# KiCad board Leopold Replacement.kicad_pcb
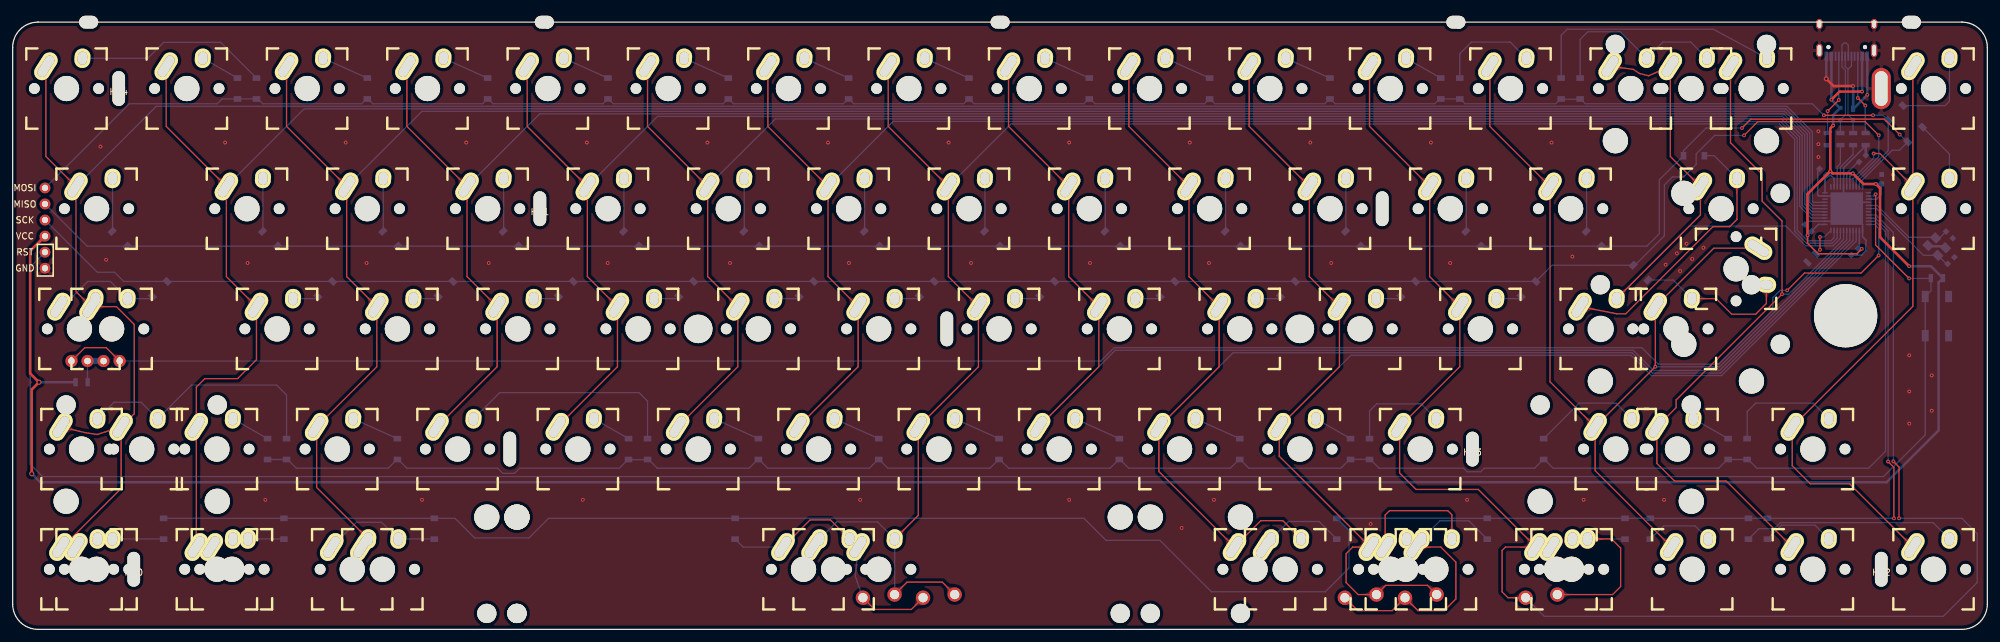
[diagram p0: board, top side]
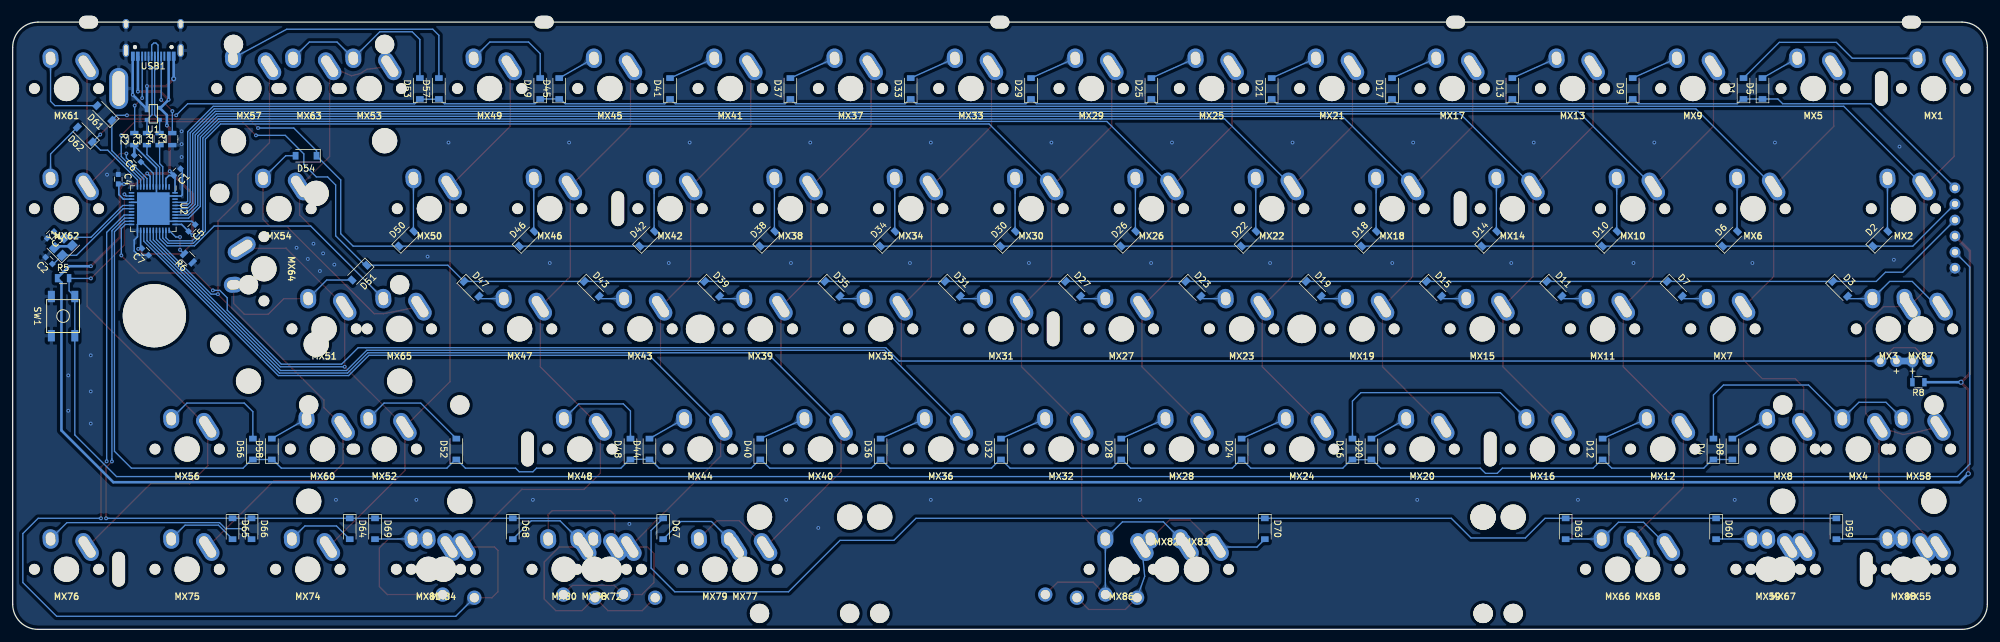
[diagram p1: board, bottom side, seen from below]

Outline 311.97 x 96.05 mm; copper layers: Top, Bottom. Coordinates in mm from the lower left corner of the outline.
Outline path: circle c250.88,47.53 r1.99 ; 0,92.05 0,4 arc(1.17,1.17) 4,0 307.97,0 arc(310.79,1.17) 311.97,4 311.97,92.05 arc(310.79,94.88) 307.97,96.05 4,96.05 arc(1.17,94.88) 0,92.05

## Placement (name value [footprint] x y rotation side)
C1  10uF  [C_0603]  285.99 72.33 315 bottom
C2  22pF  [C_0603]  306.23 58.33 45 bottom
C3  22pF  [C_0603]  305.98 62.4 315 bottom
C4  0.1uF  [C_0603]  295.28 71.21 270 bottom
C5  0.1uF  [C_0603]  283.65 63.49 315 bottom
C6  1uF  [C_0603]  292.23 74.46 45 bottom
C7  0.1uF  [C_0603]  291.01 59.73 45 bottom
D1  D  [D_SOD-123]  38.52 85.55 90 bottom
D2  D  [D_SOD-123]  16.88 61.78 135 bottom
D3  D  [D_SOD-123]  23.24 53.86 225 bottom
D4  D  [D_SOD-123]  43.27 28.52 90 bottom
D5  D  [D_SOD-123]  35.52 85.55 90 bottom
D6  D  [D_SOD-123]  40.64 61.78 135 bottom
D7  D  [D_SOD-123]  49.38 53.86 225 bottom
D8  D  [D_SOD-123]  40.27 28.52 90 bottom
D9  D  [D_SOD-123]  56.03 85.55 90 bottom
D10  D  [D_SOD-123]  59.65 61.78 135 bottom
D11  D  [D_SOD-123]  68.39 53.86 225 bottom
D12  D  [D_SOD-123]  60.78 28.52 90 bottom
D13  D  [D_SOD-123]  75.04 85.55 90 bottom
D14  D  [D_SOD-123]  78.66 61.78 135 bottom
D15  D  [D_SOD-123]  87.4 53.86 225 bottom
D16  D  [D_SOD-123]  100.3 28.52 90 bottom
D17  D  [D_SOD-123]  94.05 85.55 90 bottom
D18  D  [D_SOD-123]  97.67 61.78 135 bottom
D19  D  [D_SOD-123]  106.41 53.86 225 bottom
D20  D  [D_SOD-123]  97.3 28.52 90 bottom
D21  D  [D_SOD-123]  113.06 85.55 90 bottom
D22  D  [D_SOD-123]  116.68 61.78 135 bottom
D23  D  [D_SOD-123]  125.42 53.86 225 bottom
D24  D  [D_SOD-123]  117.81 28.52 90 bottom
D25  D  [D_SOD-123]  132.07 85.55 90 bottom
D26  D  [D_SOD-123]  135.69 61.78 135 bottom
D27  D  [D_SOD-123]  144.43 53.86 225 bottom
D28  D  [D_SOD-123]  136.82 28.52 90 bottom
D29  D  [D_SOD-123]  151.08 85.55 90 bottom
D30  D  [D_SOD-123]  154.7 61.78 135 bottom
D31  D  [D_SOD-123]  163.44 53.86 225 bottom
D32  D  [D_SOD-123]  155.83 28.52 90 bottom
D33  D  [D_SOD-123]  170.09 85.55 90 bottom
D34  D  [D_SOD-123]  173.71 61.78 135 bottom
D35  D  [D_SOD-123]  182.45 53.86 225 bottom
D36  D  [D_SOD-123]  174.84 28.52 90 bottom
D37  D  [D_SOD-123]  189.1 85.55 90 bottom
D38  D  [D_SOD-123]  192.72 61.78 135 bottom
D39  D  [D_SOD-123]  201.46 53.86 225 bottom
D40  D  [D_SOD-123]  193.85 28.52 90 bottom
D41  D  [D_SOD-123]  208.11 85.55 90 bottom
D42  D  [D_SOD-123]  211.73 61.78 135 bottom
D43  D  [D_SOD-123]  220.47 53.86 225 bottom
D44  D  [D_SOD-123]  211.36 28.52 90 bottom
D45  D  [D_SOD-123]  225.62 85.55 90 bottom
D46  D  [D_SOD-123]  230.74 61.78 135 bottom
D47  D  [D_SOD-123]  239.48 53.86 225 bottom
D48  D  [D_SOD-123]  214.36 28.52 90 bottom
D49  D  [D_SOD-123]  228.62 85.55 90 bottom
D50  D  [D_SOD-123]  249.75 61.78 135 bottom
D51  D  [D_SOD-123]  257.18 56.43 315 bottom
D52  D  [D_SOD-123]  241.87 28.52 90 bottom
D53  D  [D_SOD-123]  247.63 85.55 90 bottom
D54  D  [D_SOD-123]  265.61 74.92 0 bottom
D55  LED  [MXOnly-LEDONLY]  15.63 47.53 0 top
D56  D  [D_SOD-123]  274.02 28.52 90 bottom
D57  D  [D_SOD-123]  244.63 85.55 90 bottom
D58  D  [D_SOD-123]  271.02 28.52 90 bottom
D59  D  [D_SOD-123]  23.84 15.91 270 bottom
D60  D  [D_SOD-123]  42.85 15.91 270 bottom
D61  D  [D_SOD-123]  297.47 81.67 45 bottom
D62  D  [D_SOD-123]  300.56 78.27 45 bottom
D63  D  [D_SOD-123]  66.62 15.91 270 bottom
D64  D  [D_SOD-123]  258.72 15.91 270 bottom
D65  D  [D_SOD-123]  277.23 15.91 270 bottom
D66  D  [D_SOD-123]  274.23 15.91 270 bottom
D67  D  [D_SOD-123]  209.19 15.91 270 bottom
D68  D  [D_SOD-123]  232.95 15.91 270 bottom
D69  D  [D_SOD-123]  254.72 15.91 270 bottom
D70  D  [D_SOD-123]  114.14 15.91 270 bottom
D71  LED  [MXOnly-LEDONLY-FLIPPED]  10.55 47.53 0 top
G***  LOGO  [IPWT]  100.56 11.21 0 top
G***#2  LOGO  [ALPS]  160.56 11.21 0 top
G***#3  LOGO  [sanpjxlogo]  28.94 47.53 0 top
H1  MountingHole  [Leopold-Mounting-Rat]  228 96.05 0 top
H2  MountingHole  [Leopold-Mounting-Rat]  299.97 96.05 0 top
H3  MountingHole  [Leopold-Mounting-Rat]  156 96.05 0 top
H4  MountingHole  [Leopold-Mounting-Rat]  12 96.05 0 top
H5  MountingHole  [Leopold-Mounting-Rat]  84 96.05 0 top
H6  MountingHole  [10mm-Leopold-Mounting-Hole]  289.58 49.61 0 top
H7  MountingHole  [Leopold-Mounting-Hole-Main]  147.58 47.53 0 top
H8  MountingHole  [Leopold-Mounting-Hole-Main]  78.54 28.52 0 top
H9  MountingHole  [Leopold-Mounting-Hole-Main]  216.36 66.54 0 top
H10  MountingHole  [Leopold-Mounting-Hole-Main]  19.13 9.51 0 top
H11  MountingHole  [Leopold-Mounting-Hole-Main]  83.29 66.54 0 top
H12  MountingHole  [Leopold-Mounting-Hole-Main]  295.21 9.51 0 top
H13  MountingHole  [Leopold-Mounting-Hole-Main]  230.62 28.52 0 top
H14  MountingHole  [Leopold-Mounting-Hole-Main]  16.75 85.55 0 top
H15  MountingHole  [Leopold-mounting-hole-circle]  108.31 47.53 0 top
H16  MountingHole  [Leopold-mounting-hole-circle]  203.36 47.53 0 top
J2  Conn_01x01_Female  [Leopold-Mounting-Hole]  295.21 85.55 0 top
J3  Conn_01x05_Male  [Reset_Pretty-Mask-Reversed]  5.11 63.47 270 top
MX1  MX-NoLED-MX_Alps_Hybrid  [Mx_Alps_100]  8.51 85.55 0 top
MX2  MX-NoLED-MX_Alps_Hybrid  [Mx_Alps_100]  13.26 66.54 0 top
MX3  MX-NoLED-MX_Alps_Hybrid  [Mx_Alps_100]  15.63 47.53 0 top
MX4  MX-NoLED-MX_Alps_Hybrid  [Mx_Alps_225]  20.39 28.52 0 top
MX5  MX-NoLED-MX_Alps_Hybrid  [Mx_Alps_100]  27.52 85.55 0 top
MX6  MX-NoLED-MX_Alps_Hybrid  [Mx_Alps_100]  37.02 66.54 0 top
MX7  MX-NoLED-MX_Alps_Hybrid  [Mx_Alps_100]  41.77 47.53 0 top
MX8  MX-NoLED-MX_Alps_Hybrid  [Mx_Alps_100]  32.27 28.52 0 top
MX9  MX-NoLED-MX_Alps_Hybrid  [Mx_Alps_100]  46.52 85.55 0 top
MX10  MX-NoLED-MX_Alps_Hybrid  [Mx_Alps_100]  56.03 66.54 0 top
MX11  MX-NoLED-MX_Alps_Hybrid  [Mx_Alps_100]  60.78 47.53 0 top
MX12  MX-NoLED-MX_Alps_Hybrid  [Mx_Alps_100]  51.28 28.52 0 top
MX13  MX-NoLED-MX_Alps_Hybrid  [Mx_Alps_100]  65.53 85.55 0 top
MX14  MX-NoLED-MX_Alps_Hybrid  [Mx_Alps_100]  75.04 66.54 0 top
MX15  MX-NoLED-MX_Alps_Hybrid  [Mx_Alps_100]  79.79 47.53 0 top
MX16  MX-NoLED-MX_Alps_Hybrid  [Mx_Alps_100]  70.29 28.52 0 top
MX17  MX-NoLED-MX_Alps_Hybrid  [Mx_Alps_100]  84.55 85.55 0 top
MX18  MX-NoLED-MX_Alps_Hybrid  [Mx_Alps_100]  94.05 66.54 0 top
MX19  MX-NoLED-MX_Alps_Hybrid  [Mx_Alps_100]  98.8 47.53 0 top
MX20  MX-NoLED-MX_Alps_Hybrid  [Mx_Alps_100]  89.3 28.52 0 top
MX21  MX-NoLED-MX_Alps_Hybrid  [Mx_Alps_100]  103.56 85.55 0 top
MX22  MX-NoLED-MX_Alps_Hybrid  [Mx_Alps_100]  113.06 66.54 0 top
MX23  MX-NoLED-MX_Alps_Hybrid  [Mx_Alps_100]  117.81 47.53 0 top
MX24  MX-NoLED-MX_Alps_Hybrid  [Mx_Alps_100]  108.31 28.52 0 top
MX25  MX-NoLED-MX_Alps_Hybrid  [Mx_Alps_100]  122.56 85.55 0 top
MX26  MX-NoLED-MX_Alps_Hybrid  [Mx_Alps_100]  132.07 66.54 0 top
MX27  MX-NoLED-MX_Alps_Hybrid  [Mx_Alps_100]  136.82 47.53 0 top
MX28  MX-NoLED-MX_Alps_Hybrid  [Mx_Alps_100]  127.32 28.52 0 top
MX29  MX-NoLED-MX_Alps_Hybrid  [Mx_Alps_100]  141.57 85.55 0 top
MX30  MX-NoLED-MX_Alps_Hybrid  [Mx_Alps_100]  151.08 66.54 0 top
MX31  MX-NoLED-MX_Alps_Hybrid  [Mx_Alps_100]  155.83 47.53 0 top
MX32  MX-NoLED-MX_Alps_Hybrid  [Mx_Alps_100]  146.33 28.52 0 top
MX33  MX-NoLED-MX_Alps_Hybrid  [Mx_Alps_100]  160.59 85.55 0 top
MX34  MX-NoLED-MX_Alps_Hybrid  [Mx_Alps_100]  170.09 66.54 0 top
MX35  MX-NoLED-MX_Alps_Hybrid  [Mx_Alps_100]  174.84 47.53 0 top
MX36  MX-NoLED-MX_Alps_Hybrid  [Mx_Alps_100]  165.34 28.52 0 top
MX37  MX-NoLED-MX_Alps_Hybrid  [Mx_Alps_100]  179.59 85.55 0 top
MX38  MX-NoLED-MX_Alps_Hybrid  [Mx_Alps_100]  189.1 66.54 0 top
MX39  MX-NoLED-MX_Alps_Hybrid  [Mx_Alps_100]  193.85 47.53 0 top
MX40  MX-NoLED-MX_Alps_Hybrid  [Mx_Alps_100]  184.35 28.52 0 top
MX41  MX-NoLED-MX_Alps_Hybrid  [Mx_Alps_100]  198.6 85.55 0 top
MX42  MX-NoLED-MX_Alps_Hybrid  [Mx_Alps_100]  208.11 66.54 0 top
MX43  MX-NoLED-MX_Alps_Hybrid  [Mx_Alps_100]  212.86 47.53 0 top
MX44  MX-NoLED-MX_Alps_Hybrid  [Mx_Alps_100]  203.36 28.52 0 top
MX45  MX-NoLED-MX_Alps_Hybrid  [Mx_Alps_100]  217.62 85.55 0 top
MX46  MX-NoLED-MX_Alps_Hybrid  [Mx_Alps_100]  227.12 66.54 0 top
MX47  MX-NoLED-MX_Alps_Hybrid  [Mx_Alps_100]  231.87 47.53 0 top
MX48  MX-NoLED-MX_Alps_Hybrid  [Mx_Alps_100]  222.37 28.52 0 top
MX49  MX-NoLED-MX_Alps_Hybrid  [Mx_Alps_100]  236.62 85.55 0 top
MX50  MX-NoLED-MX_Alps_Hybrid  [Mx_Alps_100]  246.13 66.54 0 top
MX51  MX-NoLED-MX_Alps_Hybrid  [Mx_Alps_225]  262.76 47.53 0 top
MX52  MX-NoLED-MX_Alps_Hybrid  [Mx_Alps_225]  253.26 28.52 0 top
MX53  MX-NoLED-MX_Alps_Hybrid  [Mx_Alps_100]  255.63 85.55 0 top
MX54  MX-NoLED-MX_Alps_Hybrid  [Mx_Alps_100]  269.89 66.54 0 top
MX55  MX-NoLED-MX_Alps_Hybrid  [Mx_Alps_125]  10.88 9.51 0 top
MX56  MX-NoLED-MX_Alps_Hybrid  [Mx_Alps_100]  284.4 28.52 0 top
MX57  MX-NoLED-MX_Alps_Hybrid  [Mx_Alps_100]  274.64 85.55 0 top
MX58  MX-NoLED-MX_Alps_Hybrid  [Mx_Alps_100]  10.88 28.52 0 top
MX59  MX-NoLED-MX_Alps_Hybrid  [Mx_Alps_125]  34.64 9.51 0 top
MX60  MX-NoLED-MX_Alps_Hybrid  [Mx_Alps_100]  263.01 28.52 0 top
MX61  MX-NoLED-MX_Alps_Hybrid  [Mx_Alps_100]  303.46 85.55 0 top
MX62  MX-NoLED-MX_Alps_Hybrid  [Mx_Alps_100]  303.46 66.54 0 top
MX63  MX-NoLED-MX_Alps_Hybrid  [Mx_Alps_200]  265.14 85.55 0 top
MX64  MX-NoLED-MX_Alps_Hybrid  [Mx_Alps_225]  272.27 57.03 270 top
MX65  MX-NoLED-MX_Alps_Hybrid  [Mx_Alps_100]  250.88 47.53 0 top
MX66  MX-NoLED-MX_Alps_Hybrid  [Mx_Alps_125]  58.41 9.51 0 top
MX67  MX-NoLED-MX_Alps_Hybrid  [Mx_Alps_100]  32.27 9.51 0 top
MX68  MX-NoLED-MX_Alps_Hybrid  [Mx_Alps_125]  53.65 9.51 0 top
MX69  MX-NoLED-MX_Alps_Hybrid  [ALPS-1.5U]  222.47 9.51 180 top
MX70  MX-NoLED-MX_Alps_Hybrid  [ALPS-1.5U]  241.53 9.51 180 top
MX71  MX-NoLED-MX_Alps_Hybrid  [ALPS-1.5U]  212.96 9.51 180 top
MX72  MX-NoLED-MX_Alps_Hybrid  [Mx_Alps_150]  217.71 9.51 0 top
MX73  MX-NoLED-MX_Alps_Hybrid  [ALPS-6.5U]  146.33 9.51 180 top
MX74  MX-NoLED-MX_Alps_Hybrid  [Mx_Alps_100]  265.34 9.51 0 top
MX75  MX-NoLED-MX_Alps_Hybrid  [Mx_Alps_100]  284.4 9.51 0 top
MX76  MX-NoLED-MX_Alps_Hybrid  [Mx_Alps_100]  303.46 9.51 0 top
MX77  MX-NoLED-MX_Alps_Hybrid  [Mx_Alps_125]  196.28 9.51 0 top
MX78  MX-NoLED-MX_Alps_Hybrid  [Mx_Alps_125]  220.09 9.51 0 top
MX79  MX-NoLED-MX_Alps_Hybrid  [Mx_Alps_125]  201.03 9.51 0 top
MX80  MX-NoLED-MX_Alps_Hybrid  [Mx_Alps_125]  224.84 9.51 0 top
MX81  MX-NoLED-MX_Alps_Hybrid  [Mx_Alps_100]  246.28 9.51 0 top
MX82  MX-NoLED-MX_Alps_Hybrid  [Mx_Alps_625_FL]  129.69 9.51 180 top
MX83  MX-NoLED-MX_Alps_Hybrid  [Mx_Alps_625_FL]  124.94 9.51 180 top
MX84  MX-NoLED-MX_Alps_Hybrid  [Mx_Alps_125]  243.9 9.51 0 top
MX85  MX-NoLED-MX_Alps_Hybrid  [ALPS-6.5U]  136.82 9.51 180 top
MX86  MX-NoLED-MX_Alps_Hybrid  [Mx_Alps_700_FL]  136.82 9.51 180 top
MX87  MX-NoLED-MX_Alps_Hybrid  [Mx_Alps_125]  10.55 47.53 0 top
MX88  MX-NoLED-MX_Alps_Hybrid  [Mx_Alps_150]  13.26 9.51 0 top
R1  5.1k  [R_0805]  286.75 77.55 90 bottom
R2  5.1k  [R_0805]  292.75 77.55 90 bottom
R3  22  [R_0805]  290.75 77.55 90 bottom
R4  22  [R_0805]  288.75 77.55 90 bottom
R5  10k  [R_0805]  304 55.55 180 bottom
R6  1k  [R_0805]  284.21 58.71 45 bottom
R8  300  [R_0805]  10.89 39.09 0 bottom
SW1  SW_Push  [SKQG-1155865]  304 49.55 270 bottom
U1  PRTR5V0U2X  [SOT143B]  289.75 81.55 180 bottom
U2  ATmega32U4-MU  [QFN-44-1EP_7x7mm_P0.5mm_EP5.15x5.15mm]  289.75 66.55 270 bottom
USB1  HRO-TYPE-C-31-M-12-Type-C  [HRO-TYPE-C-31-M-12-Assembly]  289.75 98.35 0 bottom
Y1  16Mhz  [Crystal_SMD_3225-4Pin_3.2x2.5mm]  303.97 60.54 135 bottom

## Footprints (pads in the part's own frame, mm; a bottom-side part is the same pattern mirrored in y, then rotated)
10mm-Leopold-Mounting-Hole
  round 10 hole 10 unplated: (0,0)
ALPS-1.5U
  round 2.25 hole 1.47: 1(-2.5,4) 2(2.5,4.5)
ALPS-6.5U
  round 2.25 hole 1.47: 1(-2.5,4) 2(2.5,4.5)
C_0603
  rect 0.8x0.75 smd: 1(-0.75,0) 2(0.75,0)
Crystal_SMD_3225-4Pin_3.2x2.5mm
  rect 1.4x1.2 smd: 1(-1.1,-0.85) 2(1.1,-0.85) 3(1.1,0.85) 4(-1.1,0.85)
D_SOD-123
  rect 0.9x1.2 smd: 1(-1.65,0) 2(1.65,0)
HRO-TYPE-C-31-M-12-Assembly
  round 0.65 hole 0.65 unplated: (-2.89,6.25) (2.89,6.25)
  rect 0.6x1.45 smd: 1(-3.225,7.695) 2(-2.45,7.695) 11(2.45,7.695) 12(3.225,7.695)
  rect 0.3x1.45 smd: 3(-1.75,7.695) 4(-1.25,7.695) 5(-0.75,7.695) 6(-0.25,7.695) 7(0.25,7.695) 8(0.75,7.695) 9(1.25,7.695) 10(1.75,7.695)
  oval 1x1.6 hole 0.6x1.2: 13(-4.32,2.6) 13(4.32,2.6)
  oval 1x2.1 hole 0.6x1.7: 13(-4.32,6.78) 13(4.32,6.78)
Leopold-Mounting-Hole
  oval 3x6.5 hole 2x5.5: 1(0,0)
Leopold-mounting-hole-circle
  round 4.5 hole 4.5 unplated: (0,0)
Leopold-Mounting-Hole-Main
  oval 2x5.5 hole 2x5.5 unplated: (0,0)
Leopold-Mounting-Rat
  oval 3x2 hole 3x2 unplated: (0,0)
Mx_Alps_100
  round 1.702 hole 1.702 unplated: (-5.08,0) (5.08,0)
  round 3.988 hole 3.988 unplated: (0,0)
  oval 2.5x4.75 hole 1.5x3.75 rot 147.5: 1(-3.255,3.52)
  oval 2.5x3.08 hole 1.5x2.08 rot 176.1: 2(2.52,4.79)
Mx_Alps_125
  round 1.702 hole 1.702 unplated: (-5.08,0) (5.08,0)
  round 3.988 hole 3.988 unplated: (0,0)
  oval 2.5x4.75 hole 1.5x3.75 rot 147.5: 1(-3.255,3.52)
  oval 2.5x3.08 hole 1.5x2.08 rot 176.1: 2(2.52,4.79)
Mx_Alps_150
  round 1.702 hole 1.702 unplated: (-5.08,0) (5.08,0)
  round 3.988 hole 3.988 unplated: (0,0)
  oval 2.5x4.75 hole 1.5x3.75 rot 147.5: 1(-3.255,3.52)
  oval 2.5x3.08 hole 1.5x2.08 rot 176.1: 2(2.52,4.79)
Mx_Alps_200
  round 3.048 hole 3.048 unplated: (-11.938,6.985) (11.938,6.985)
  round 3.988 hole 3.988 unplated: (-11.938,-8.255) (0,0) (11.938,-8.255)
  round 1.702 hole 1.702 unplated: (-5.08,0) (5.08,0)
  oval 2.5x4.75 hole 1.5x3.75 rot 147.5: 1(-3.255,3.52)
  oval 2.5x3.08 hole 1.5x2.08 rot 176.1: 2(2.52,4.79)
Mx_Alps_225
  round 3.048 hole 3.048 unplated: (-11.938,6.985) (11.938,6.985)
  round 3.988 hole 3.988 unplated: (-11.938,-8.255) (0,0) (11.938,-8.255)
  round 1.702 hole 1.702 unplated: (-5.08,0) (5.08,0)
  oval 2.5x4.75 hole 1.5x3.75 rot 147.5: 1(-3.255,3.52)
  oval 2.5x3.08 hole 1.5x2.08 rot 176.1: 2(2.52,4.79)
Mx_Alps_625_FL
  round 3.048 hole 3.048 unplated: (-50.038,6.985) (50.038,6.985)
  round 3.988 hole 3.988 unplated: (-50.038,-8.255) (0,0) (50.038,-8.255)
  round 1.702 hole 1.702 unplated: (-5.08,0) (5.08,0)
  oval 2.5x4.75 hole 1.5x3.75 rot 147.5: 1(3.255,-3.52)
  oval 2.5x3.08 hole 1.5x2.08 rot 176.1: 2(-2.52,-4.79)
Mx_Alps_700_FL
  round 3.048 hole 3.048 unplated: (-57.15,6.985) (57.15,6.985)
  round 3.988 hole 3.988 unplated: (-57.15,-8.255) (0,0) (57.15,-8.255)
  round 1.702 hole 1.702 unplated: (-5.08,0) (5.08,0)
  oval 2.5x4.75 hole 1.5x3.75 rot 147.5: 1(3.255,-3.52)
  oval 2.5x3.08 hole 1.5x2.08 rot 176.1: 2(-2.52,-4.79)
MXOnly-LEDONLY
  round 1.905 hole 1.04: 1(1.27,-5.08) 2(-1.27,-5.08)
MXOnly-LEDONLY-FLIPPED
  round 1.905 hole 1.04: 1(-1.27,-5.08) 2(1.27,-5.08)
QFN-44-1EP_7x7mm_P0.5mm_EP5.15x5.15mm
  rrect 1.04x1.04 smd: (-1.935,-1.935) (-1.935,-0.645) (-1.935,0.645) (-1.935,1.935) (-0.645,-1.935) (-0.645,-0.645) (-0.645,0.645) (-0.645,1.935) (0.645,-1.935) (0.645,-0.645) (0.645,0.645) (0.645,1.935) (1.935,-1.935) (1.935,-0.645) (1.935,0.645) (1.935,1.935)
  rrect 0.875x0.25 smd: 1(-3.438,2.5) 2(-3.438,2) 3(-3.438,1.5) 4(-3.438,1) 5(-3.438,0.5) 6(-3.438,0) 7(-3.438,-0.5) 8(-3.438,-1) 9(-3.438,-1.5) 10(-3.438,-2) 11(-3.438,-2.5) 23(3.438,-2.5) 24(3.438,-2) 25(3.438,-1.5) 26(3.438,-1) 27(3.438,-0.5) 28(3.438,0) 29(3.438,0.5) 30(3.438,1) 31(3.438,1.5) 32(3.438,2) 33(3.438,2.5)
  rrect 0.25x0.875 smd: 12(-2.5,-3.438) 13(-2,-3.438) 14(-1.5,-3.438) 15(-1,-3.438) 16(-0.5,-3.438) 17(0,-3.438) 18(0.5,-3.438) 19(1,-3.438) 20(1.5,-3.438) 21(2,-3.438) 22(2.5,-3.438) 34(2.5,3.438) 35(2,3.438) 36(1.5,3.438) 37(1,3.438) 38(0.5,3.438) 39(0,3.438) 40(-0.5,3.438) 41(-1,3.438) 42(-1.5,3.438) 43(-2,3.438) 44(-2.5,3.438)
  rect 5.15x5.15 smd: 45(0,0)
R_0805
  rect 0.7x1.3 smd: 1(-0.95,0) 2(0.95,0)
Reset_Pretty-Mask-Reversed
  round 1.7 hole 1: 1(-3.81,0) 2(1.27,0) 3(-1.27,0) 4(-6.35,0) 5(3.81,0) 6(6.35,0)
SKQG-1155865
  rect 1.8x1.1 smd: 1(-3.1,-1.85) 1(3.1,-1.85) 2(-3.1,1.85) 2(3.1,1.85)
SOT143B
  rect 0.7x1 smd: 1(-1,0.75)
  rect 0.7x0.6 smd: 2(-1,-0.95) 3(1,-0.95) 4(1,0.95)

## Nets
+5V: C1.2 C4.2 C5.2 C7.2 J3.2 R5.1 R8.1 U1.4 U2.2 U2.7 U2.14 U2.24 U2.34 U2.44 USB1.2 USB1.11
GND: C1.1 C2.2 C3.2 C4.1 C5.1 C6.2 C7.1 J2.1 J3.6 R1.1 R2.1 R6.1 SW1.1 U1.1 U2.5 U2.15 U2.23 U2.35 U2.43 U2.45 USB1.1 USB1.12 USB1.13 Y1.2 Y1.4
Col0: MX1.1 MX2.1 MX3.1 MX4.1 MX55.1 MX58.1 MX87.2 MX88.1 U2.41
Col1: MX5.1 MX6.1 MX7.1 MX8.1 MX59.1 MX67.1 U2.40
Col2: MX9.1 MX10.1 MX11.1 MX12.1 MX66.1 MX68.2 U2.39
Col3: MX13.1 MX14.1 MX15.1 MX16.1 U2.38
Col4: MX17.1 MX18.1 MX19.1 MX20.1 U2.37
Col5: MX21.1 MX22.1 MX23.1 MX24.1 U2.36
Col6: MX25.1 MX26.1 MX27.1 MX28.1 U2.32
Col7: MX29.1 MX30.1 MX31.1 MX32.1 MX73.1 MX82.1 MX83.2 MX85.1 MX86.2 U2.31
Col8: MX33.1 MX34.1 MX35.1 MX36.1 U2.27
Col9: MX37.1 MX38.1 MX39.1 MX40.1 MX77.1 MX79.2 U2.26
Col10: MX41.1 MX42.1 MX43.1 MX44.1 MX69.1 MX71.1 MX72.1 MX78.1 MX80.2 U2.25
Col11: MX45.1 MX46.1 MX47.1 MX48.1 MX70.2 MX81.1 MX84.1 U2.19
Col12: MX49.1 MX50.1 MX51.1 MX52.1 MX64.1 MX74.1 U2.28
Col13: MX53.1 MX54.1 MX63.1 MX65.2 U2.30
Col14: MX57.1 MX60.1 MX75.1 U2.29
Col15: MX56.1 MX61.1 MX62.1 MX76.1 U2.8
D+: R3.1 U2.4
D-: R4.1 U2.3
Row0: D1.1 D5.1 D9.1 D13.1 D17.1 D21.1 D25.1 D29.1 D33.1 D37.1 D41.1 D45.1 D49.1 D53.1 D57.1 D61.1 J3.4 U2.10
Row1: D2.1 D6.1 D10.1 D14.1 D18.1 D22.1 D26.1 D30.1 D34.1 D38.1 D42.1 D46.1 D50.1 D54.1 D62.1 J3.1 U2.11
Row2: D3.1 D7.1 D11.1 D15.1 D19.1 D23.1 D27.1 D31.1 D35.1 D39.1 D43.1 D47.1 D51.1 J3.3 U2.9
Row3: D4.1 D8.1 D12.1 D16.1 D20.1 D24.1 D28.1 D32.1 D36.1 D40.1 D44.1 D48.1 D52.1 D56.1 D58.1 U2.21
Row4: D59.1 D60.1 D63.1 D64.1 D65.1 D66.1 D67.1 D68.1 D69.1 D70.1 U2.20
RST: J3.5 R5.2 SW1.2 U2.13
Net-(C2-Pad1): C2.1 U2.17 Y1.1
Net-(C3-Pad1): C3.1 U2.16 Y1.3
Net-(C6-Pad1): C6.1 U2.6
Net-(D1-Pad2): D1.2 MX1.2
Net-(D2-Pad2): D2.2 MX2.2
Net-(D3-Pad2): D3.2 MX3.2 MX87.1
Net-(D4-Pad2): D4.2 MX4.2 MX58.2
Net-(D5-Pad2): D5.2 MX5.2
Net-(D6-Pad2): D6.2 MX6.2
Net-(D7-Pad2): D7.2 MX7.2
Net-(D8-Pad2): D8.2 MX8.2
Net-(D9-Pad2): D9.2 MX9.2
Net-(D10-Pad2): D10.2 MX10.2
Net-(D11-Pad2): D11.2 MX11.2
Net-(D12-Pad2): D12.2 MX12.2
Net-(D13-Pad2): D13.2 MX13.2
Net-(D14-Pad2): D14.2 MX14.2
Net-(D15-Pad2): D15.2 MX15.2
Net-(D16-Pad2): D16.2 MX16.2
Net-(D17-Pad2): D17.2 MX17.2
Net-(D18-Pad2): D18.2 MX18.2
Net-(D19-Pad2): D19.2 MX19.2
Net-(D20-Pad2): D20.2 MX20.2
Net-(D21-Pad2): D21.2 MX21.2
Net-(D22-Pad2): D22.2 MX22.2
Net-(D23-Pad2): D23.2 MX23.2
Net-(D24-Pad2): D24.2 MX24.2
Net-(D25-Pad2): D25.2 MX25.2
Net-(D26-Pad2): D26.2 MX26.2
Net-(D27-Pad2): D27.2 MX27.2
Net-(D28-Pad2): D28.2 MX28.2
Net-(D29-Pad2): D29.2 MX29.2
Net-(D30-Pad2): D30.2 MX30.2
Net-(D31-Pad2): D31.2 MX31.2
Net-(D32-Pad2): D32.2 MX32.2
Net-(D33-Pad2): D33.2 MX33.2
Net-(D34-Pad2): D34.2 MX34.2
Net-(D35-Pad2): D35.2 MX35.2
Net-(D36-Pad2): D36.2 MX36.2
Net-(D37-Pad2): D37.2 MX37.2
Net-(D38-Pad2): D38.2 MX38.2
Net-(D39-Pad2): D39.2 MX39.2
Net-(D40-Pad2): D40.2 MX40.2
Net-(D41-Pad2): D41.2 MX41.2
Net-(D42-Pad2): D42.2 MX42.2
Net-(D43-Pad2): D43.2 MX43.2
Net-(D44-Pad2): D44.2 MX44.2
Net-(D45-Pad2): D45.2 MX45.2
Net-(D46-Pad2): D46.2 MX46.2
Net-(D47-Pad2): D47.2 MX47.2
Net-(D48-Pad2): D48.2 MX48.2
Net-(D49-Pad2): D49.2 MX49.2
Net-(D50-Pad2): D50.2 MX50.2
Net-(D51-Pad2): D51.2 MX51.2 MX64.2
Net-(D52-Pad2): D52.2 MX52.2
Net-(D53-Pad2): D53.2 MX53.2 MX63.2
Net-(D54-Pad2): D54.2 MX54.2 MX65.1
Net-(D55-Pad1): D55.1 D71.1 U2.22
Net-(D55-Pad2): D55.2 D71.2 R8.2
Net-(D56-Pad2): D56.2 MX56.2
Net-(D57-Pad2): D57.2 MX57.2
Net-(D58-Pad2): D58.2 MX60.2
Net-(D59-Pad2): D59.2 MX55.2 MX88.2
Net-(D60-Pad2): D60.2 MX59.2 MX67.2
Net-(D61-Pad2): D61.2 MX61.2
Net-(D62-Pad2): D62.2 MX62.2
Net-(D63-Pad2): D63.2 MX66.2 MX68.1
Net-(D64-Pad2): D64.2 MX74.2
Net-(D65-Pad2): D65.2 MX75.2
Net-(D66-Pad2): D66.2 MX76.2
Net-(D67-Pad2): D67.2 MX77.2 MX79.1
Net-(D68-Pad2): D68.2 MX69.2 MX71.2 MX72.2 MX78.2 MX80.1
Net-(D69-Pad2): D69.2 MX70.1 MX81.2 MX84.2
Net-(D70-Pad2): D70.2 MX73.2 MX82.2 MX83.1 MX85.2 MX86.1
Net-(R1-Pad2): R1.2 USB1.4
Net-(R2-Pad2): R2.2 USB1.10
Net-(R3-Pad2): R3.2 U1.2 USB1.6 USB1.8
Net-(R4-Pad2): R4.2 U1.3 USB1.5 USB1.7
Net-(R6-Pad2): R6.2 U2.33
Net-(U2-Pad1): U2.1
Net-(U2-Pad12): U2.12
Net-(U2-Pad18): U2.18
Net-(U2-Pad42): U2.42
Net-(USB1-Pad3): USB1.3
Net-(USB1-Pad9): USB1.9

## Via types
v1: diameter 0.6, hole 0.3, Top to Bottom, 86 vias
v2: diameter 0.8, hole 0.5, Top to Bottom, 2 vias
v3: diameter 0.8, hole 0.4, Top to Bottom, 1 via
